# KiCad board coils_12_35_10_8_layer.kicad_pcb (continued)
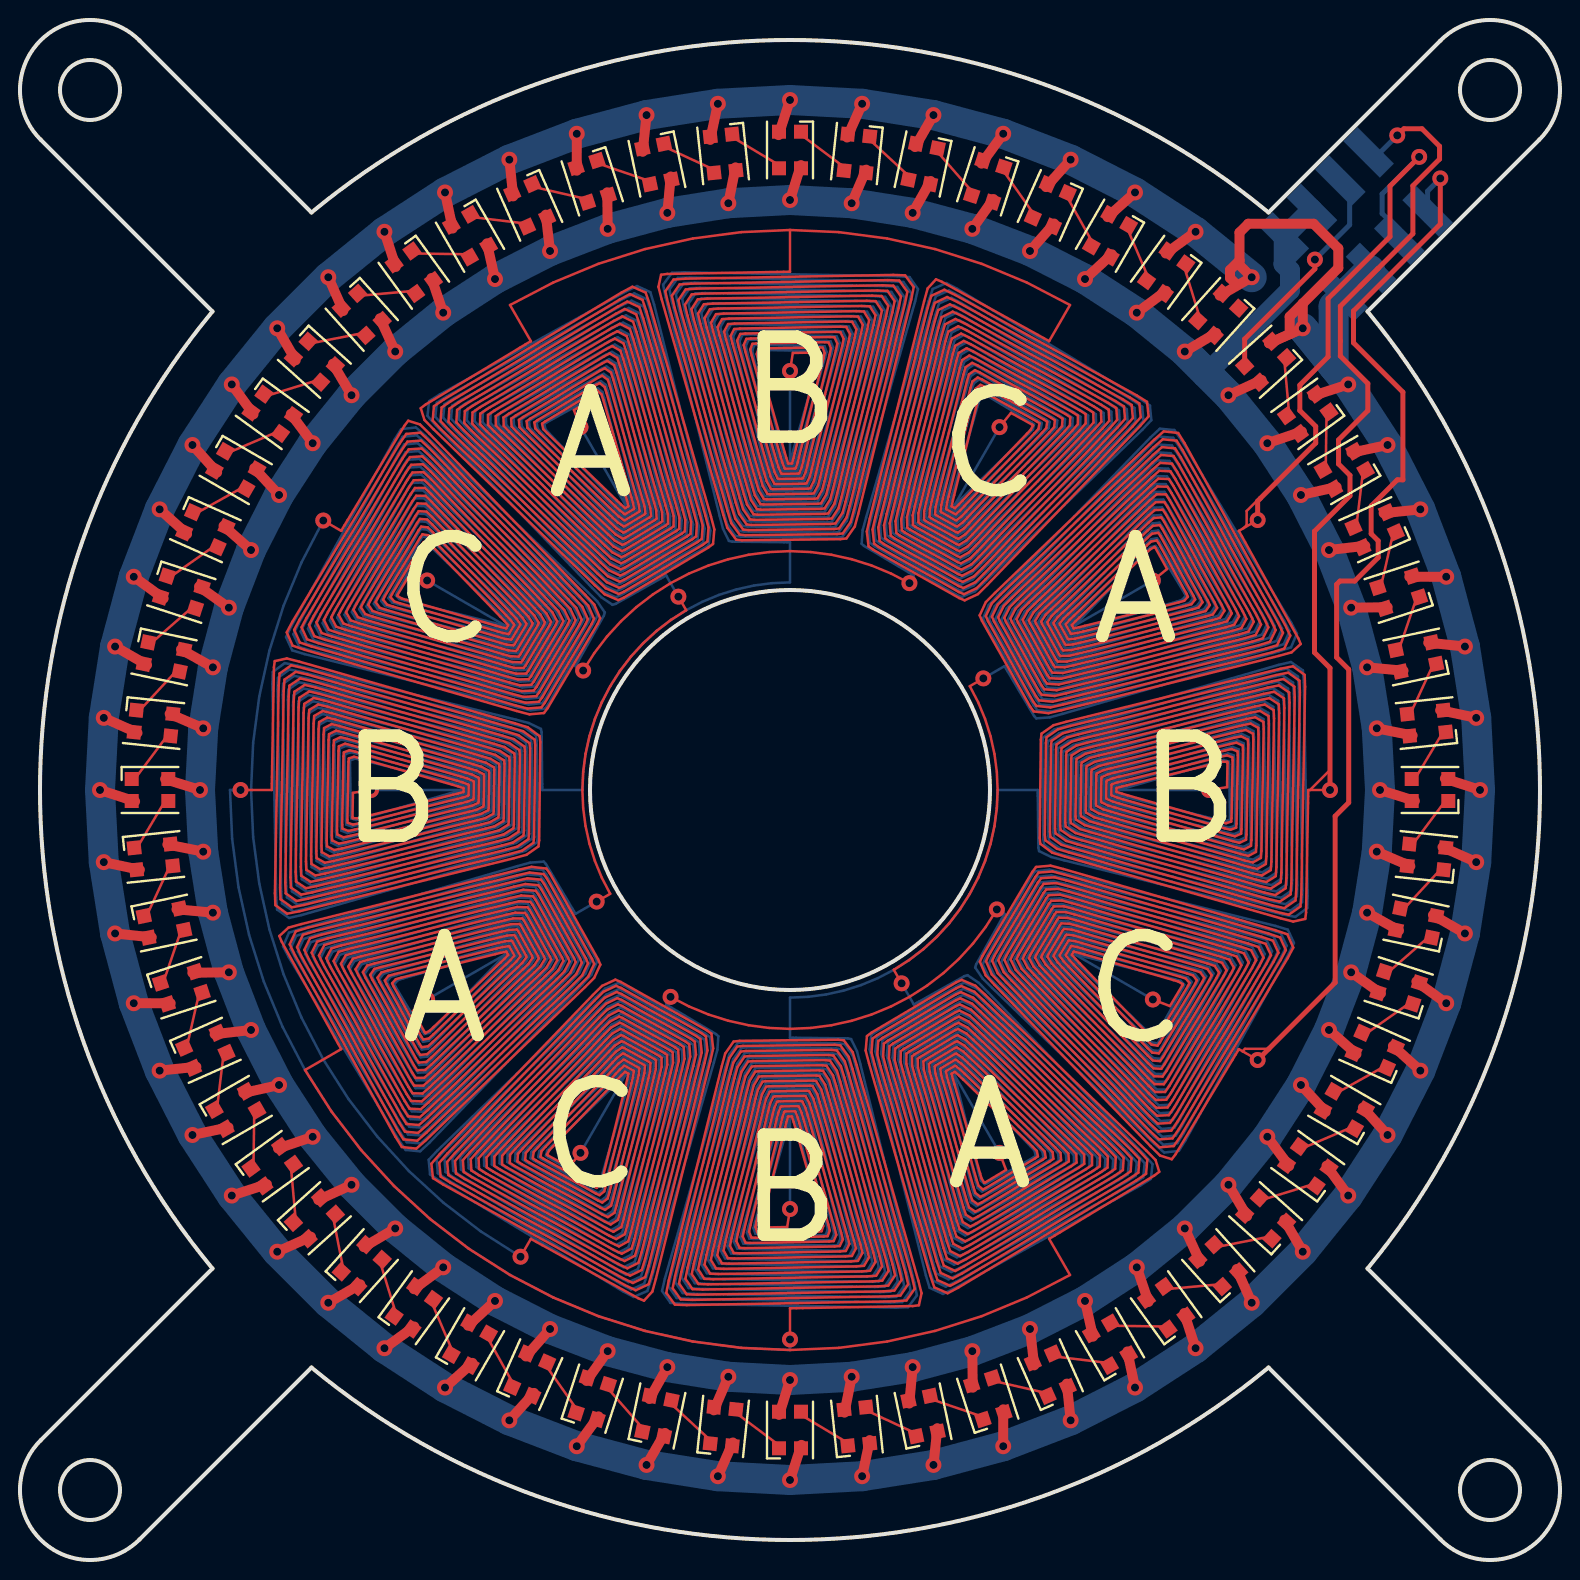
[diagram p0: board, top side]
## Routing (per net, layer and track width the routed paths; a pad name or vN(x,y) marks a point on that pad's centre or on a via; arc(x,y) is an arc through that point) (continued)
  In4.Cu w0.127: v1(17.55,38.5) 16.65,38.36 16.63,37.16 16.64,37.09 16.89,37.09 17.15,37.15 21.65,38.26 21.91,38.33 22.16,38.4 22.18,38.41 22.18,38.59 22.16,38.6 21.91,38.68 21.63,38.76 16.97,40.09 16.7,40.16 16.44,40.08 16.42,39.91 16.37,37.03 16.38,36.86 16.65,36.77 16.94,36.83 21.85,38.05 22.14,38.12 22.41,38.22 22.43,38.25 22.43,38.74 22.42,38.77 22.14,38.88 21.84,38.97 16.77,40.42 16.48,40.49 16.19,40.38 16.17,40.18 16.11,36.77 16.12,36.57 16.42,36.45 16.73,36.52 22.05,37.84 22.37,37.92 22.66,38.03 22.68,38.09 22.69,38.89 22.67,38.94 22.37,39.08 22.05,39.17 16.57,40.74 16.25,40.82 15.94,40.68 15.92,40.46 15.85,36.5 15.87,36.27 16.18,36.13 16.52,36.2 22.26,37.63 22.59,37.71 22.91,37.85 22.93,37.92 22.95,39.05 22.93,39.12 22.6,39.27 22.26,39.38 16.37,41.06 16.03,41.14 15.7,40.99 15.67,40.73 15.59,36.24 15.61,35.98 15.94,35.82 16.31,35.89 22.46,37.41 22.82,37.51 23.16,37.67 23.18,37.76 23.2,39.2 23.18,39.29 22.83,39.47 22.47,39.58 16.17,41.38 15.8,41.47 15.45,41.29 15.43,41 15.33,35.98 15.35,35.69 15.71,35.5 16.09,35.58 22.66,37.2 23.05,37.3 23.42,37.49 23.44,37.6 23.46,39.35 23.44,39.46 23.07,39.67 22.67,39.78 15.97,41.7 15.58,41.8 15.2,41.59 15.18,41.27 15.08,35.71 15.09,35.39 15.47,35.18 15.88,35.26 22.87,36.99 23.28,37.1 23.67,37.31 23.69,37.44 23.71,39.51 23.69,39.64 23.3,39.86 22.88,39.99 15.77,42.02 15.36,42.12 14.96,41.9 14.93,41.55 14.82,35.45 14.83,35.1 15.24,34.86 15.67,34.95 23.07,36.78 23.5,36.9 23.92,37.13 23.94,37.28 23.97,39.66 23.95,39.81 23.53,40.06 23.09,40.19 15.57,42.34 15.13,42.45 14.71,42.2 14.68,41.82 14.56,35.19 14.57,34.8 15,34.54 15.46,34.64 23.27,36.57 23.73,36.69 24.17,36.95 24.19,37.11 24.22,39.82 24.2,39.98 23.76,40.26 23.3,40.4 15.37,42.66 14.91,42.78 14.46,42.5 14.43,42.09 14.3,34.92 14.32,34.51 14.77,34.22 15.25,34.32 23.48,36.36 23.96,36.49 24.42,36.77 24.45,36.95 24.48,39.97 24.46,40.15 24,40.45 23.51,40.6 15.17,42.99 14.68,43.1 14.21,42.81 14.18,42.36 14.04,34.66 14.06,34.21 14.53,33.91 15.04,34.01 23.68,36.15 24.19,36.28 24.67,36.59 24.7,36.79 24.74,40.12 24.71,40.33 24.23,40.65 23.72,40.81 14.97,43.31 14.46,43.43 13.97,43.11 13.93,42.63 13.78,34.4 13.8,33.92 14.3,33.59 14.83,33.69 23.88,35.93 24.41,36.08 24.92,36.4 24.95,36.63 24.99,40.28 24.97,40.5 24.46,40.85 23.92,41.01 14.77,43.63 14.24,43.76 13.72,43.41 13.68,42.91 13.52,34.13 13.54,33.63 14.06,33.27 14.61,33.38 24.09,35.72 24.64,35.87 25.17,36.22 25.2,36.46 25.25,40.43 25.22,40.67 24.69,41.04 24.13,41.22 14.57,43.95 14.01,44.08 13.47,43.72 13.43,43.18 13.26,33.87 13.28,33.33 13.82,32.95 14.4,33.07 24.29,35.51 24.87,35.67 25.42,36.04 25.45,36.3 25.5,40.58 25.48,40.84 24.92,41.24 24.34,41.42 14.37,44.27 13.79,44.41 13.23,44.02 13.18,43.45 13.01,33.61 13.03,33.04 13.59,32.63 14.19,32.75 24.49,35.3 25.1,35.46 25.67,35.86 25.71,36.14 25.76,40.74 25.73,41.02 25.16,41.44 24.55,41.63 14.17,44.59 13.56,44.73 12.98,44.32 12.93,43.72 12.75,33.34 12.77,32.74 13.35,32.31 13.98,32.44 24.69,35.09 25.32,35.26 25.92,35.68 25.96,35.98 26.01,40.89 25.98,41.19 25.39,41.63 24.76,41.83 13.97,44.91 13.34,45.08 12.74,44.94 12.7,44.63 12.59,38.5 v1(11.03,38.5) ; v1(56.64,48.98) 57.35,49.55 56.77,50.6 56.73,50.65 56.51,50.53 56.31,50.35 52.97,47.13 52.78,46.94 52.6,46.76 52.59,46.74 52.68,46.59 52.7,46.58 52.96,46.64 53.24,46.71 57.94,47.88 58.21,47.96 58.39,48.16 58.33,48.32 56.93,50.84 56.84,50.98 56.56,50.92 56.34,50.72 52.69,47.22 52.48,47.01 52.29,46.79 52.29,46.75 52.53,46.33 52.56,46.31 52.86,46.35 53.16,46.43 58.27,47.7 58.57,47.79 58.76,48.03 58.68,48.21 57.02,51.2 56.91,51.36 56.6,51.32 56.36,51.1 52.41,47.3 52.18,47.07 51.98,46.82 51.99,46.77 52.39,46.07 52.43,46.03 52.76,46.07 53.08,46.14 58.61,47.53 58.92,47.62 59.13,47.89 59.03,48.09 57.12,51.55 56.99,51.74 56.65,51.71 56.39,51.48 52.13,47.38 51.88,47.13 51.67,46.85 51.69,46.78 52.24,45.8 52.29,45.75 52.65,45.78 53,45.86 58.94,47.35 59.28,47.45 59.49,47.75 59.38,47.98 57.21,51.91 57.07,52.13 56.69,52.1 56.42,51.86 51.85,47.46 51.58,47.2 51.37,46.88 51.39,46.8 52.1,45.54 52.16,45.47 52.55,45.49 52.93,45.58 59.27,47.17 59.64,47.28 59.86,47.61 59.73,47.87 57.3,52.27 57.14,52.51 56.74,52.5 56.44,52.23 51.57,47.54 51.28,47.26 51.06,46.92 51.1,46.81 51.95,45.28 52.03,45.2 52.45,45.21 52.85,45.3 59.61,46.99 60,47.11 60.22,47.47 60.09,47.76 57.39,52.63 57.22,52.9 56.78,52.89 56.47,52.61 51.28,47.62 50.98,47.32 50.75,46.95 50.8,46.83 51.81,45.02 51.89,44.92 52.35,44.92 52.77,45.02 59.94,46.81 60.35,46.93 60.59,47.33 60.44,47.65 57.49,52.98 57.3,53.28 56.83,53.28 56.49,52.99 51,47.7 50.68,47.39 50.44,46.98 50.5,46.84 51.67,44.76 51.76,44.64 52.24,44.63 52.69,44.74 60.28,46.63 60.71,46.76 60.95,47.19 60.79,47.54 57.58,53.34 57.37,53.66 56.87,53.68 56.52,53.37 50.72,47.79 50.39,47.45 50.14,47.01 50.2,46.85 51.52,44.5 51.62,44.37 52.14,44.35 52.61,44.46 60.61,46.46 61.07,46.59 61.32,47.05 61.14,47.43 57.67,53.7 57.45,54.05 56.92,54.07 56.55,53.74 50.44,47.87 50.09,47.51 49.83,47.04 49.9,46.87 51.38,44.24 51.49,44.09 52.04,44.06 52.54,44.18 60.94,46.28 61.43,46.42 61.69,46.91 61.49,47.31 57.76,54.06 57.52,54.43 56.96,54.46 56.57,54.12 50.16,47.95 49.79,47.58 49.52,47.07 49.6,46.88 51.23,43.98 51.35,43.81 51.94,43.77 52.46,43.89 61.28,46.1 61.78,46.25 62.05,46.77 61.84,47.2 57.86,54.41 57.6,54.82 57.01,54.86 56.6,54.5 49.88,48.03 49.49,47.64 49.21,47.1 49.3,46.9 51.09,43.72 51.22,43.54 51.83,43.49 52.38,43.61 61.61,45.92 62.14,46.08 62.42,46.64 62.2,47.09 57.95,54.77 57.68,55.2 57.05,55.25 56.63,54.88 49.6,48.11 49.19,47.7 48.91,47.14 49,46.91 50.94,43.45 51.09,43.26 51.73,43.2 52.3,43.33 61.95,45.74 62.5,45.91 62.78,46.5 62.55,46.98 58.04,55.13 57.75,55.58 57.1,55.64 56.65,55.25 49.31,48.19 48.89,47.77 48.6,47.17 48.7,46.93 50.8,43.19 50.95,42.98 51.63,42.91 52.22,43.05 62.28,45.56 62.85,45.74 63.15,46.36 62.9,46.87 58.13,55.48 57.83,55.97 57.14,56.04 56.68,55.63 49.03,48.27 48.59,47.83 48.29,47.2 48.4,46.94 50.65,42.93 50.82,42.71 51.52,42.63 52.15,42.77 62.61,45.39 63.21,45.57 63.51,46.22 63.25,46.76 58.23,55.84 57.91,56.35 57.19,56.43 56.7,56.01 48.75,48.36 48.29,47.89 47.98,47.23 48.1,46.96 50.51,42.67 50.68,42.43 51.42,42.34 52.07,42.49 62.95,45.21 63.58,45.38 64.03,45.8 63.91,46.09 60.94,51.46 v1(61.88,52) ; v1(28.16,44.47) 28.72,45.35 29.35,46.18 30.06,46.94 30.82,47.65 31.65,48.28 32.53,48.84 33.45,49.32 34.42,49.72 35.41,50.04 36.43,50.26 37.46,50.4 38.5,50.44 39.54,50.4 40.57,50.26 41.59,50.04 42.58,49.72 43.55,49.32 v1(44.47,48.84) ; 38.5,66.5 40.94,66.39 43.36,66.07 45.75,65.55 48.08,64.81 50.33,63.88 52.5,62.75 51.46,60.94 46.09,63.91 45.8,64.03 45.38,63.58 45.21,62.95 42.49,52.07 42.34,51.42 42.43,50.68 42.67,50.51 46.96,48.1 47.23,47.98 47.89,48.29 48.36,48.75 56.01,56.7 56.43,57.19 56.35,57.91 55.84,58.23 46.76,63.25 46.22,63.51 45.57,63.21 45.39,62.61 42.77,52.15 42.63,51.52 42.71,50.82 42.93,50.65 46.94,48.4 47.2,48.29 47.83,48.59 48.27,49.03 55.63,56.68 56.04,57.14 55.97,57.83 55.48,58.13 46.87,62.9 46.36,63.15 45.74,62.85 45.56,62.28 43.05,52.22 42.91,51.63 42.98,50.95 43.19,50.8 46.93,48.7 47.17,48.6 47.77,48.89 48.19,49.31 55.25,56.65 55.64,57.1 55.58,57.75 55.13,58.04 46.98,62.55 46.5,62.78 45.91,62.5 45.74,61.95 43.33,52.3 43.2,51.73 43.26,51.09 43.45,50.94 46.91,49 47.14,48.91 47.7,49.19 48.11,49.6 54.88,56.63 55.25,57.05 55.2,57.68 54.77,57.95 47.09,62.2 46.64,62.42 46.08,62.14 45.92,61.61 43.61,52.38 43.49,51.83 43.54,51.22 43.72,51.09 46.9,49.3 47.1,49.21 47.64,49.49 48.03,49.88 54.5,56.6 54.86,57.01 54.82,57.6 54.41,57.86 47.2,61.84 46.77,62.05 46.25,61.78 46.1,61.28 43.89,52.46 43.77,51.94 43.81,51.35 43.98,51.23 46.88,49.6 47.07,49.52 47.58,49.79 47.95,50.16 54.12,56.57 54.46,56.96 54.43,57.52 54.06,57.76 47.31,61.49 46.91,61.69 46.42,61.43 46.28,60.94 44.18,52.54 44.06,52.04 44.09,51.49 44.24,51.38 46.87,49.9 47.04,49.83 47.51,50.09 47.87,50.44 53.74,56.55 54.07,56.92 54.05,57.45 53.7,57.67 47.43,61.14 47.05,61.32 46.59,61.07 46.46,60.61 44.46,52.61 44.35,52.14 44.37,51.62 44.5,51.52 46.85,50.2 47.01,50.14 47.45,50.39 47.79,50.72 53.37,56.52 53.68,56.87 53.66,57.37 53.34,57.58 47.54,60.79 47.19,60.95 46.76,60.71 46.63,60.28 44.74,52.69 44.63,52.24 44.64,51.76 44.76,51.67 46.84,50.5 46.98,50.44 47.39,50.68 47.7,51 52.99,56.49 53.28,56.83 53.28,57.3 52.98,57.49 47.65,60.44 47.33,60.59 46.93,60.35 46.81,59.94 45.02,52.77 44.92,52.35 44.92,51.89 45.02,51.81 46.83,50.8 46.95,50.75 47.32,50.98 47.62,51.28 52.61,56.47 52.89,56.78 52.9,57.22 52.63,57.39 47.76,60.09 47.47,60.22 47.11,60 46.99,59.61 45.3,52.85 45.21,52.45 45.2,52.03 45.28,51.95 46.81,51.1 46.92,51.06 47.26,51.28 47.54,51.57 52.23,56.44 52.5,56.74 52.51,57.14 52.27,57.3 47.87,59.73 47.61,59.86 47.28,59.64 47.17,59.27 45.58,52.93 45.49,52.55 45.47,52.16 45.54,52.1 46.8,51.39 46.88,51.37 47.2,51.58 47.46,51.85 51.86,56.42 52.1,56.69 52.13,57.07 51.91,57.21 47.98,59.38 47.75,59.49 47.45,59.28 47.35,58.94 45.86,53 45.78,52.65 45.75,52.29 45.8,52.24 46.78,51.69 46.85,51.67 47.13,51.88 47.38,52.13 51.48,56.39 51.71,56.65 51.74,56.99 51.55,57.12 48.09,59.03 47.89,59.13 47.62,58.92 47.53,58.61 46.14,53.08 46.07,52.76 46.03,52.43 46.07,52.39 46.77,51.99 46.82,51.98 47.07,52.18 47.3,52.41 51.1,56.36 51.32,56.6 51.36,56.91 51.2,57.02 48.21,58.68 48.03,58.76 47.79,58.57 47.7,58.27 46.43,53.16 46.35,52.86 46.31,52.56 46.33,52.53 46.75,52.29 46.79,52.29 47.01,52.48 47.22,52.69 50.72,56.34 50.92,56.56 50.98,56.84 50.84,56.93 48.32,58.33 48.16,58.39 47.96,58.21 47.88,57.94 46.71,53.24 46.64,52.96 46.58,52.7 46.59,52.68 46.74,52.59 46.76,52.6 46.94,52.78 47.13,52.97 50.35,56.31 50.53,56.51 50.65,56.73 50.6,56.77 49.55,57.35 v1(48.98,56.64) ; 38.5,66.5 36.06,66.39 33.64,66.07 31.25,65.55 28.92,64.81 26.67,63.88 24.5,62.75 25.54,60.94 20.29,57.78 20.04,57.59 20.22,57 20.68,56.53 28.74,48.74 29.23,48.29 29.91,47.99 30.19,48.12 34.41,50.62 34.65,50.8 34.72,51.53 34.55,52.16 31.49,62.77 31.28,63.37 30.62,63.66 30.09,63.38 21.19,58.03 20.7,57.69 20.63,56.98 21.06,56.52 28.82,49.02 29.28,48.59 29.94,48.3 30.19,48.42 34.15,50.76 34.37,50.93 34.43,51.63 34.27,52.23 31.32,62.43 31.13,63.01 30.49,63.29 29.99,63.03 21.55,57.95 21.08,57.63 21.03,56.95 21.44,56.51 28.89,49.3 29.34,48.89 29.96,48.61 30.2,48.71 33.88,50.9 34.09,51.06 34.14,51.72 33.98,52.3 31.16,62.09 30.97,62.64 30.37,62.92 29.89,62.67 21.91,57.87 21.47,57.57 21.42,56.92 21.82,56.5 28.96,49.59 29.39,49.19 29.98,48.91 30.2,49.01 33.61,51.03 33.81,51.18 33.85,51.82 33.7,52.37 30.99,61.75 30.81,62.28 30.24,62.55 29.79,62.31 22.27,57.79 21.85,57.5 21.82,56.88 22.2,56.48 29.04,49.87 29.45,49.49 30,49.22 30.21,49.31 33.35,51.17 33.52,51.31 33.55,51.91 33.41,52.44 30.83,61.41 30.65,61.92 30.12,62.18 29.69,61.96 22.63,57.71 22.24,57.44 22.21,56.85 22.57,56.47 29.11,50.15 29.5,49.79 30.02,49.53 30.21,49.61 33.08,51.31 33.24,51.44 33.26,52.01 33.13,52.51 30.66,61.07 30.49,61.55 29.99,61.81 29.6,61.6 23,57.63 22.63,57.38 22.61,56.82 22.95,56.46 29.18,50.43 29.56,50.08 30.05,49.84 30.22,49.91 32.81,51.45 32.96,51.56 32.97,52.1 32.84,52.58 30.49,60.73 30.34,61.19 29.86,61.44 29.5,61.25 23.36,57.55 23.01,57.32 23,56.79 23.33,56.45 29.26,50.72 29.61,50.38 30.07,50.14 30.22,50.21 32.55,51.58 32.68,51.69 32.68,52.19 32.56,52.65 30.33,60.39 30.18,60.83 29.74,61.07 29.4,60.89 23.72,57.47 23.4,57.25 23.4,56.76 23.71,56.43 29.33,51 29.66,50.68 30.09,50.45 30.23,50.5 32.28,51.72 32.4,51.82 32.39,52.29 32.27,52.72 30.16,60.05 30.02,60.47 29.61,60.7 29.3,60.54 24.08,57.39 23.79,57.19 23.79,56.73 24.09,56.42 29.4,51.28 29.72,50.98 30.11,50.76 30.23,50.8 32.01,51.86 32.11,51.94 32.1,52.38 31.99,52.79 29.99,59.71 29.86,60.1 29.49,60.33 29.2,60.18 24.44,57.31 24.17,57.13 24.19,56.7 24.47,56.41 29.47,51.56 29.77,51.28 30.13,51.06 30.24,51.1 31.75,52 31.83,52.07 31.81,52.48 31.71,52.86 29.83,59.37 29.7,59.74 29.36,59.96 29.1,59.82 24.8,57.23 24.56,57.07 24.58,56.67 24.84,56.4 29.55,51.85 29.83,51.58 30.16,51.37 30.24,51.4 31.48,52.13 31.55,52.19 31.52,52.57 31.42,52.93 29.66,59.03 29.55,59.38 29.24,59.59 29,59.47 25.16,57.15 24.94,57 24.98,56.64 25.22,56.38 29.62,52.13 29.88,51.88 30.18,51.68 30.25,51.7 31.21,52.27 31.27,52.32 31.23,52.67 31.14,53 29.5,58.69 29.39,59.01 29.11,59.22 28.91,59.11 25.52,57.07 25.33,56.94 25.37,56.61 25.6,56.37 29.69,52.41 29.94,52.18 30.2,51.98 30.25,52 30.95,52.41 30.98,52.45 30.94,52.76 30.85,53.07 29.33,58.35 29.23,58.65 28.98,58.84 28.81,58.76 25.88,56.99 25.72,56.88 25.77,56.58 25.98,56.36 29.77,52.69 29.99,52.48 30.22,52.29 30.26,52.29 30.68,52.54 30.7,52.57 30.65,52.86 30.57,53.14 29.16,58.01 29.07,58.29 28.86,58.47 28.71,58.4 26.24,56.91 26.1,56.82 26.16,56.55 26.36,56.34 29.84,52.98 30.04,52.78 30.25,52.6 30.27,52.59 30.42,52.68 30.42,52.7 30.36,52.95 30.28,53.21 29,57.67 28.92,57.92 28.79,58.14 28.73,58.12 27.7,57.5 v1(28.02,56.64) ; 38.5,66.5 38.5,64.41 32.37,64.3 32.06,64.26 31.92,63.66 32.09,63.03 35.17,52.24 35.37,51.61 35.81,51.02 36.11,50.99 41.02,51.04 41.32,51.08 41.74,51.68 41.91,52.31 44.56,63.02 44.69,63.65 44.26,64.23 43.66,64.25 33.28,64.07 32.68,64.02 32.27,63.44 32.41,62.83 35.37,52.45 35.56,51.84 35.98,51.27 36.26,51.24 40.86,51.29 41.14,51.33 41.54,51.9 41.7,52.51 44.25,62.81 44.37,63.41 43.96,63.97 43.39,63.99 33.55,63.82 32.98,63.77 32.59,63.21 32.73,62.63 35.58,52.66 35.76,52.08 36.16,51.52 36.42,51.5 40.7,51.55 40.96,51.58 41.33,52.13 41.49,52.71 43.93,62.6 44.05,63.18 43.67,63.72 43.13,63.74 33.82,63.57 33.28,63.53 32.92,62.99 33.05,62.43 35.78,52.87 35.96,52.31 36.33,51.78 36.57,51.75 40.54,51.8 40.78,51.83 41.13,52.36 41.28,52.91 43.62,62.39 43.73,62.94 43.37,63.46 42.87,63.48 34.09,63.32 33.59,63.28 33.24,62.76 33.37,62.23 35.99,53.08 36.15,52.54 36.5,52.03 36.72,52.01 40.37,52.05 40.6,52.08 40.92,52.59 41.07,53.12 43.31,62.17 43.41,62.7 43.08,63.2 42.6,63.22 34.37,63.07 33.89,63.03 33.57,62.54 33.69,62.03 36.19,53.28 36.35,52.77 36.67,52.29 36.88,52.26 40.21,52.3 40.41,52.33 40.72,52.81 40.85,53.32 42.99,61.96 43.09,62.47 42.79,62.94 42.34,62.96 34.64,62.82 34.19,62.79 33.9,62.32 34.01,61.83 36.4,53.49 36.55,53 36.85,52.54 37.03,52.52 40.05,52.55 40.23,52.58 40.51,53.04 40.64,53.52 42.68,61.75 42.78,62.23 42.49,62.68 42.08,62.7 34.91,62.57 34.5,62.54 34.22,62.09 34.34,61.63 36.6,53.7 36.74,53.24 37.02,52.8 37.18,52.78 39.89,52.81 40.05,52.83 40.31,53.27 40.43,53.73 42.36,61.54 42.46,62 42.2,62.43 41.81,62.44 35.18,62.32 34.8,62.29 34.55,61.87 34.66,61.43 36.81,53.91 36.94,53.47 37.19,53.05 37.34,53.03 39.72,53.06 39.87,53.08 40.1,53.5 40.22,53.93 42.05,61.33 42.14,61.76 41.9,62.17 41.55,62.18 35.45,62.07 35.1,62.04 34.88,61.64 34.98,61.23 37.01,54.12 37.14,53.7 37.36,53.31 37.49,53.29 39.56,53.31 39.69,53.33 39.9,53.72 40.01,54.13 41.74,61.12 41.82,61.53 41.61,61.91 41.29,61.92 35.73,61.82 35.41,61.8 35.2,61.42 35.3,61.03 37.22,54.33 37.33,53.93 37.54,53.56 37.65,53.54 39.4,53.56 39.51,53.58 39.7,53.95 39.8,54.34 41.42,60.91 41.5,61.29 41.31,61.65 41.02,61.67 36,61.57 35.71,61.55 35.53,61.2 35.62,60.83 37.42,54.53 37.53,54.17 37.71,53.82 37.8,53.8 39.24,53.82 39.33,53.84 39.49,54.18 39.59,54.54 41.11,60.69 41.18,61.06 41.02,61.39 40.76,61.41 36.27,61.33 36.01,61.3 35.86,60.97 35.94,60.63 37.62,54.74 37.73,54.4 37.88,54.07 37.95,54.05 39.08,54.07 39.15,54.09 39.29,54.41 39.37,54.74 40.8,60.48 40.87,60.82 40.73,61.13 40.5,61.15 36.54,61.08 36.32,61.06 36.18,60.75 36.26,60.43 37.83,54.95 37.92,54.63 38.06,54.33 38.11,54.31 38.91,54.32 38.97,54.34 39.08,54.63 39.16,54.95 40.48,60.27 40.55,60.58 40.43,60.88 40.23,60.89 36.82,60.83 36.62,60.81 36.51,60.52 36.58,60.23 38.03,55.16 38.12,54.86 38.23,54.58 38.26,54.57 38.75,54.57 38.78,54.59 38.88,54.86 38.95,55.15 40.17,60.06 40.23,60.35 40.14,60.62 39.97,60.63 37.09,60.58 36.92,60.56 36.84,60.3 36.91,60.03 38.24,55.37 38.32,55.09 38.4,54.84 38.41,54.82 38.59,54.82 38.6,54.84 38.67,55.09 38.74,55.35 39.85,59.85 39.91,60.11 39.91,60.36 39.84,60.37 38.64,60.35 v1(38.5,59.45) ; v1(59.45,38.5) 60.35,38.64 60.37,39.84 60.36,39.91 60.11,39.91 59.85,39.85 55.35,38.74 55.09,38.67 54.84,38.6 54.82,38.59 54.82,38.41 54.84,38.4 55.09,38.32 55.37,38.24 60.03,36.91 60.3,36.84 60.56,36.92 60.58,37.09 60.63,39.97 60.62,40.14 60.35,40.23 60.06,40.17 55.15,38.95 54.86,38.88 54.59,38.78 54.57,38.75 54.57,38.26 54.58,38.23 54.86,38.12 55.16,38.03 60.23,36.58 60.52,36.51 60.81,36.62 60.83,36.82 60.89,40.23 60.88,40.43 60.58,40.55 60.27,40.48 54.95,39.16 54.63,39.08 54.34,38.97 54.32,38.91 54.31,38.11 54.33,38.06 54.63,37.92 54.95,37.83 60.43,36.26 60.75,36.18 61.06,36.32 61.08,36.54 61.15,40.5 61.13,40.73 60.82,40.87 60.48,40.8 54.74,39.37 54.41,39.29 54.09,39.15 54.07,39.08 54.05,37.95 54.07,37.88 54.4,37.73 54.74,37.62 60.63,35.94 60.97,35.86 61.3,36.01 61.33,36.27 61.41,40.76 61.39,41.02 61.06,41.18 60.69,41.11 54.54,39.59 54.18,39.49 53.84,39.33 53.82,39.24 53.8,37.8 53.82,37.71 54.17,37.53 54.53,37.42 60.83,35.62 61.2,35.53 61.55,35.71 61.57,36 61.67,41.02 61.65,41.31 61.29,41.5 60.91,41.42 54.34,39.8 53.95,39.7 53.58,39.51 53.56,39.4 53.54,37.65 53.56,37.54 53.93,37.33 54.33,37.22 61.03,35.3 61.42,35.2 61.8,35.41 61.82,35.73 61.92,41.29 61.91,41.61 61.53,41.82 61.12,41.74 54.13,40.01 53.72,39.9 53.33,39.69 53.31,39.56 53.29,37.49 53.31,37.36 53.7,37.14 54.12,37.01 61.23,34.98 61.64,34.88 62.04,35.1 62.07,35.45 62.18,41.55 62.17,41.9 61.76,42.14 61.33,42.05 53.93,40.22 53.5,40.1 53.08,39.87 53.06,39.72 53.03,37.34 53.05,37.19 53.47,36.94 53.91,36.81 61.43,34.66 61.87,34.55 62.29,34.8 62.32,35.18 62.44,41.81 62.43,42.2 62,42.46 61.54,42.36 53.73,40.43 53.27,40.31 52.83,40.05 52.81,39.89 52.78,37.18 52.8,37.02 53.24,36.74 53.7,36.6 61.63,34.34 62.09,34.22 62.54,34.5 62.57,34.91 62.7,42.08 62.68,42.49 62.23,42.78 61.75,42.68 53.52,40.64 53.04,40.51 52.58,40.23 52.55,40.05 52.52,37.03 52.54,36.85 53,36.55 53.49,36.4 61.83,34.01 62.32,33.9 62.79,34.19 62.82,34.64 62.96,42.34 62.94,42.79 62.47,43.09 61.96,42.99 53.32,40.85 52.81,40.72 52.33,40.41 52.3,40.21 52.26,36.88 52.29,36.67 52.77,36.35 53.28,36.19 62.03,33.69 62.54,33.57 63.03,33.89 63.07,34.37 63.22,42.6 63.2,43.08 62.7,43.41 62.17,43.31 53.12,41.07 52.59,40.92 52.08,40.6 52.05,40.37 52.01,36.72 52.03,36.5 52.54,36.15 53.08,35.99 62.23,33.37 62.76,33.24 63.28,33.59 63.32,34.09 63.48,42.87 63.46,43.37 62.94,43.73 62.39,43.62 52.91,41.28 52.36,41.13 51.83,40.78 51.8,40.54 51.75,36.57 51.78,36.33 52.31,35.96 52.87,35.78 62.43,33.05 62.99,32.92 63.53,33.28 63.57,33.82 63.74,43.13 63.72,43.67 63.18,44.05 62.6,43.93 52.71,41.49 52.13,41.33 51.58,40.96 51.55,40.7 51.5,36.42 51.52,36.16 52.08,35.76 52.66,35.58 62.63,32.73 63.21,32.59 63.77,32.98 63.82,33.55 63.99,43.39 63.97,43.96 63.41,44.37 62.81,44.25 52.51,41.7 51.9,41.54 51.33,41.14 51.29,40.86 51.24,36.26 51.27,35.98 51.84,35.56 52.45,35.37 62.83,32.41 63.44,32.27 64.02,32.68 64.07,33.28 64.25,43.66 64.23,44.26 63.65,44.69 63.02,44.56 52.31,41.91 51.68,41.74 51.08,41.32 51.04,41.02 50.99,36.11 51.02,35.81 51.61,35.37 52.24,35.17 63.03,32.09 63.66,31.92 64.26,32.06 64.3,32.37 64.41,38.5 v1(65.5,38.5) ; v1(28.83,32.92) 29.51,33.31 29.09,34.11 28.75,34.95 28.47,35.81 28.28,36.7 28.16,37.6 28.12,38.5 28.16,39.4 28.28,40.3 28.47,41.19 28.75,42.05 29.09,42.89 29.51,43.69 30,44.45 30.55,45.17 31.16,45.84 31.83,46.45 32.55,47 33.31,47.49 v1(32.92,48.17) ; v1(20.36,48.98) 19.5,49.3 18.88,48.27 18.86,48.21 19.08,48.08 19.33,48 23.79,46.72 24.05,46.64 24.3,46.58 24.32,46.58 24.41,46.73 24.4,46.75 24.22,46.96 24.02,47.16 20.66,50.64 20.45,50.84 20.18,50.9 20.09,50.76 18.6,48.29 18.53,48.14 18.71,47.93 18.99,47.84 23.86,46.43 24.14,46.35 24.43,46.3 24.46,46.32 24.71,46.74 24.71,46.78 24.52,47.01 24.31,47.23 20.64,51.02 20.42,51.23 20.12,51.28 20.01,51.12 18.24,48.19 18.16,48.02 18.35,47.77 18.65,47.67 23.93,46.15 24.24,46.06 24.55,46.02 24.59,46.05 25,46.75 25.02,46.8 24.82,47.06 24.59,47.31 20.63,51.4 20.39,51.63 20.06,51.67 19.93,51.48 17.89,48.09 17.78,47.89 17.99,47.61 18.31,47.5 24,45.86 24.33,45.77 24.68,45.73 24.73,45.79 25.3,46.75 25.32,46.82 25.12,47.12 24.87,47.38 20.62,51.78 20.36,52.02 20,52.06 19.85,51.84 17.53,48 17.41,47.76 17.62,47.45 17.97,47.34 24.07,45.58 24.43,45.48 24.81,45.45 24.87,45.52 25.6,46.76 25.63,46.84 25.42,47.17 25.15,47.45 20.6,52.16 20.33,52.42 19.93,52.44 19.77,52.2 17.18,47.9 17.04,47.64 